# KiCad board RBCX.kicad_pcb (continued)
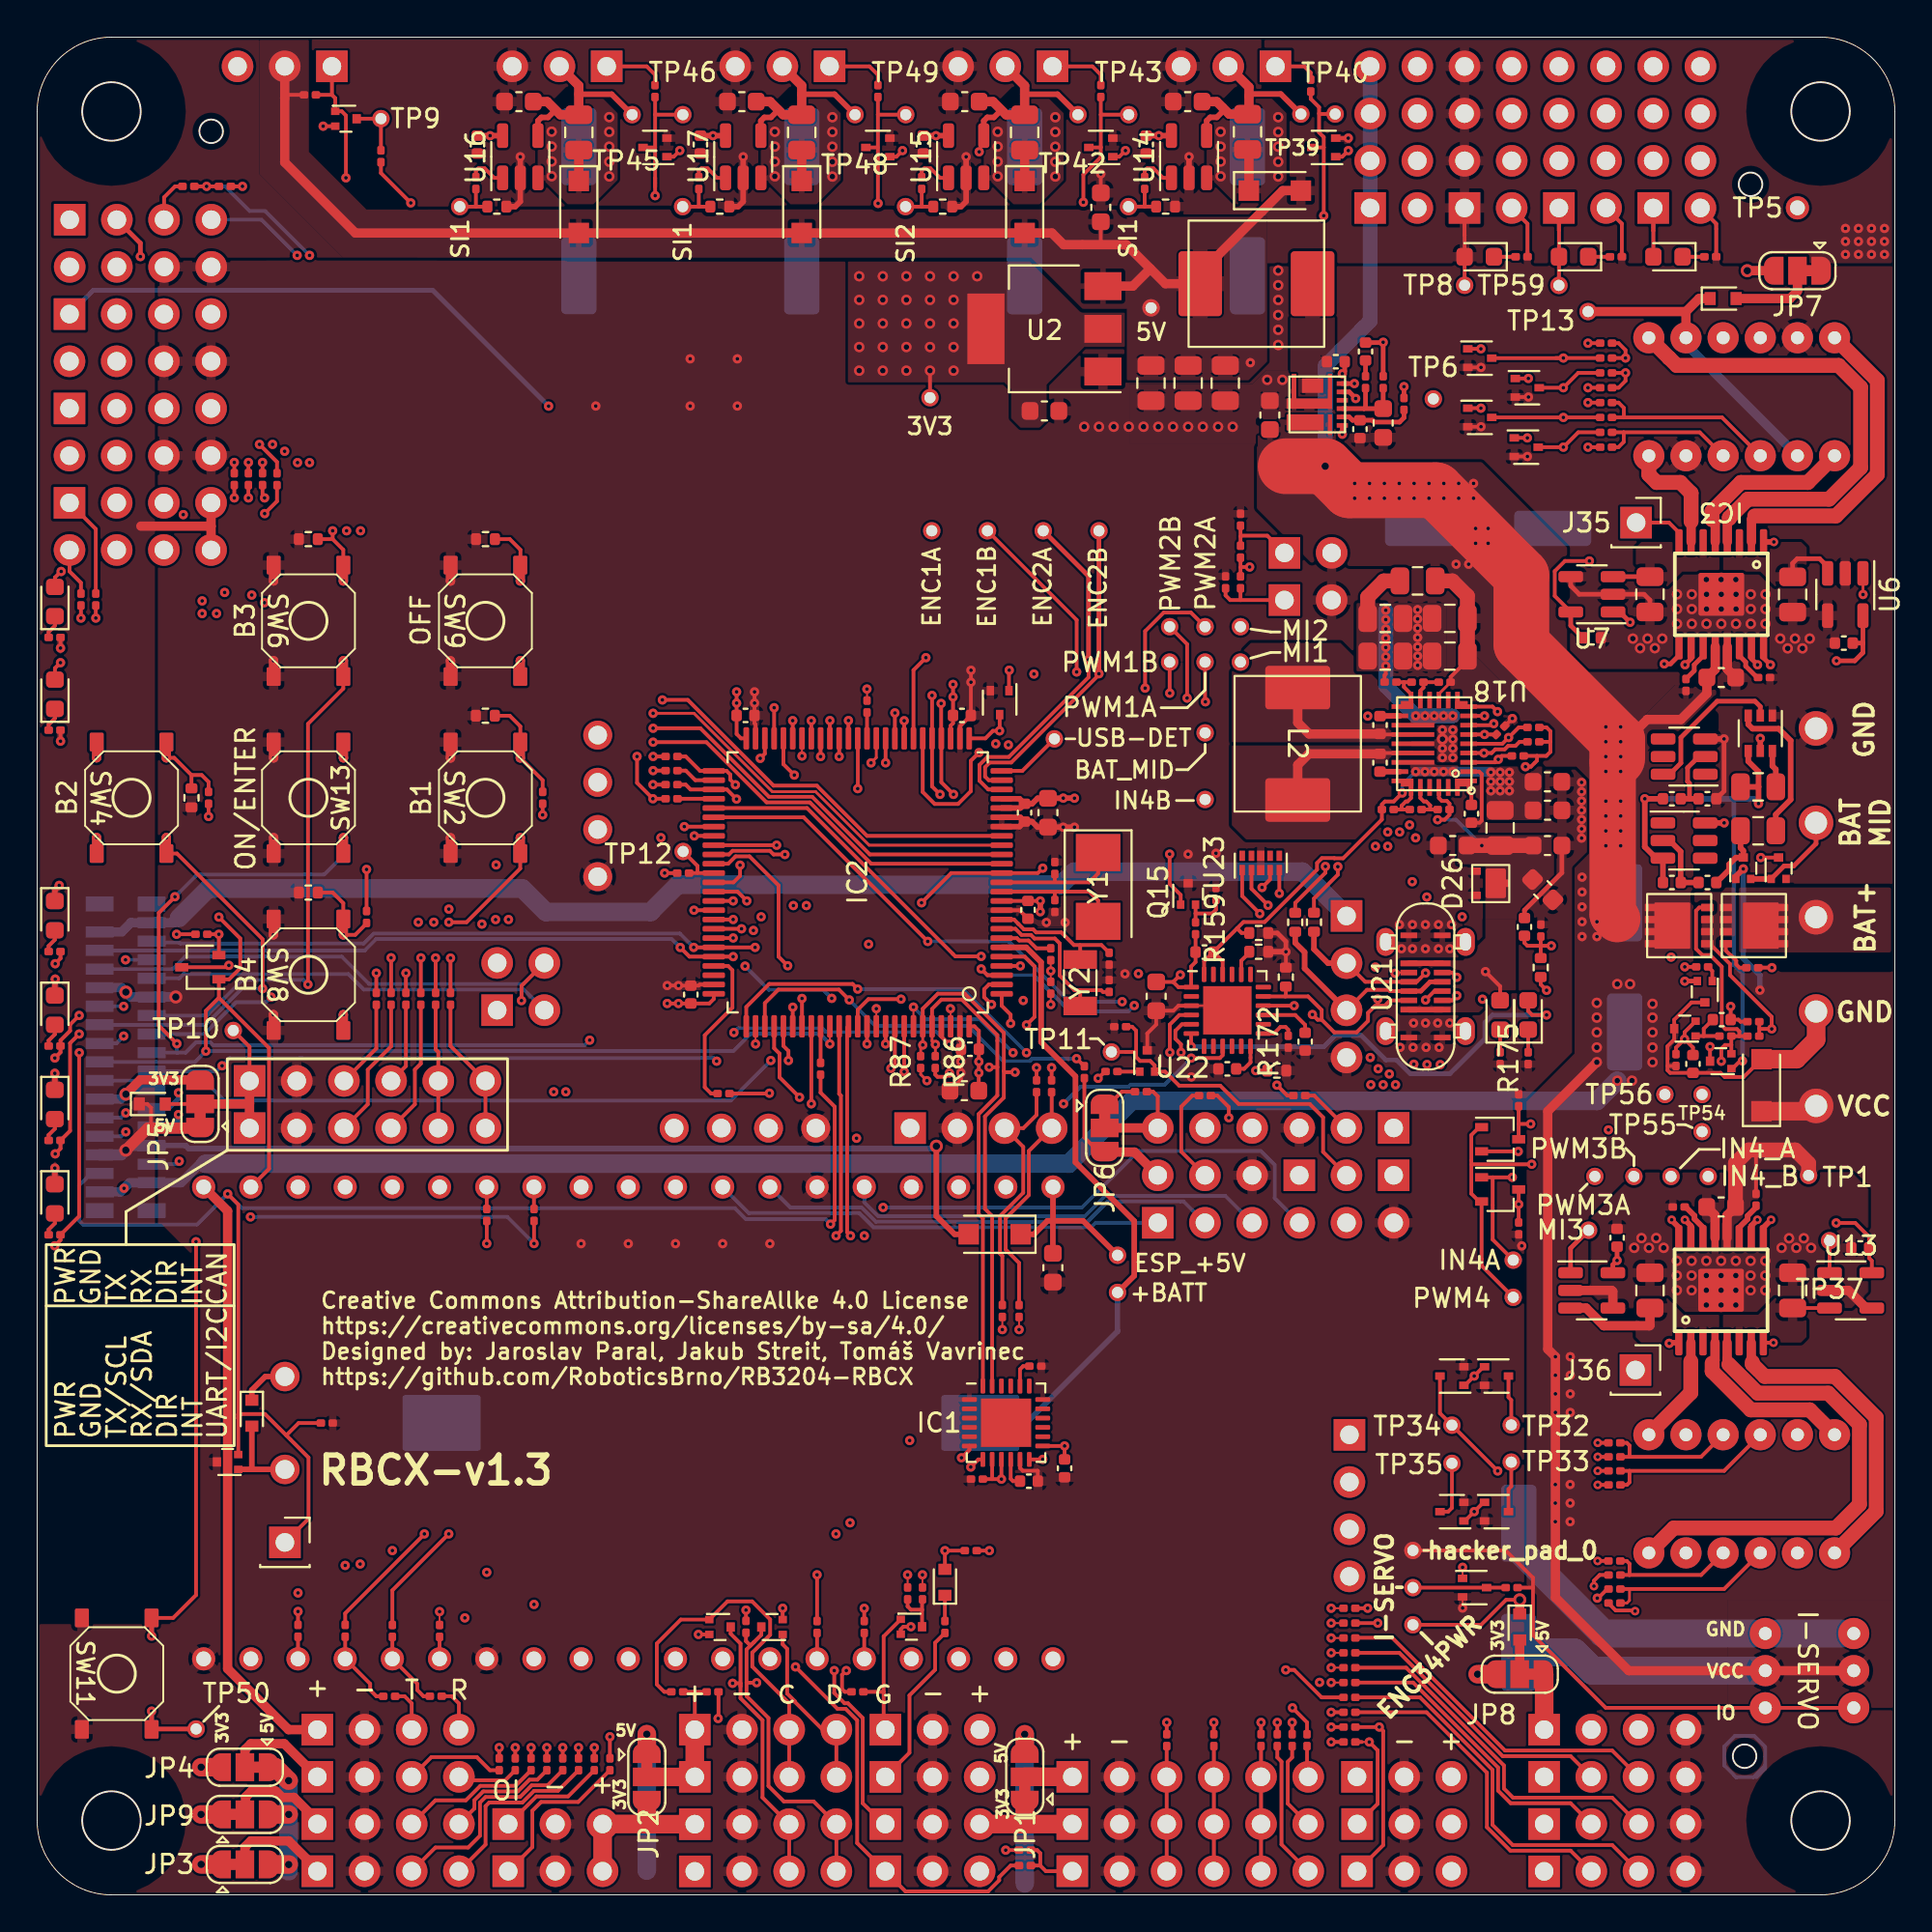
[diagram p0: board, top side]
## Placement (name value [footprint] x y rotation side) (continued)
R93  2.2k  [R_0201_0603Metric]  84.46 81.93 180 top
R94  2.2k  [R_0201_0603Metric]  84.46 79.53 180 top
R95  2.2k  [R_0201_0603Metric]  84.46 78.73 180 top
R96  5m  [C_0805_2012Metric]  94.5 70 90 top
R97  5m  [C_0805_2012Metric]  86.82 70.01 90 top
R98  10k  [C_0201_0603Metric]  79.75 42.77 270 top
R99  10k  [C_0201_0603Metric]  79.75 35.87 90 top
R100  10k  [C_0201_0603Metric]  84.9 24.33 0 top
R101  10k  [C_0201_0603Metric]  84.91 22.07 180 top
R102  10k  [C_0201_0603Metric]  84.91 15.71 0 top
R103  10k  [C_0201_0603Metric]  84.9 17.97 180 top
R104  2.2k  [R_0201_0603Metric]  84.91 23.58 180 top
R105  2.2k  [R_0201_0603Metric]  84.91 22.82 180 top
R106  2.2k  [R_0201_0603Metric]  84.91 16.46 180 top
R107  2.2k  [R_0201_0603Metric]  84.91 17.22 180 top
R108  5m  [C_0805_2012Metric]  86.82 32.54 270 top
R109  5m  [C_0805_2012Metric]  94.5 32.54 270 top
R110  1k  [R_0201_0603Metric]  59.62 92.15 270 top
R111  5m  [C_0805_2012Metric]  65.16 94.9 270 top
R112  2.2k  [R_0201_0603Metric]  68.56 97.39 270 top
R113  1k  [R_0201_0603Metric]  47.62 92.15 270 top
R114  5m  [C_0805_2012Metric]  53.16 94.87 270 top
R115  2.2k  [R_0201_0603Metric]  57.26 97.1 270 top
R116  1k  [R_0201_0603Metric]  23.62 92.15 270 top
R117  5m  [C_0805_2012Metric]  29.16 94.87 270 top
R118  2.2k  [R_0201_0603Metric]  33.26 97.1 270 top
R119  1k  [R_0201_0603Metric]  35.62 92.15 270 top
R120  5m  [C_0805_2012Metric]  41.16 94.87 270 top
R121  2.2k  [R_0201_0603Metric]  45.26 97.1 270 top
R122  330  [C_0201_0603Metric]  70.64 9.83 0 top
R123  330  [C_0201_0603Metric]  70.64 10.63 0 top
R124  330  [C_0201_0603Metric]  3.16 69.73 90 top
R125  330  [C_0201_0603Metric]  2.36 69.73 270 top
R126  330  [C_0201_0603Metric]  70.64 11.43 0 top
R127  330  [C_0201_0603Metric]  70.64 12.23 0 top
R128  330  [C_0201_0603Metric]  24.87 7.03 270 top
R129  330  [C_0201_0603Metric]  25.74 7.03 270 top
R130  330  [C_0201_0603Metric]  70.64 13.03 0 top
R131  330  [C_0201_0603Metric]  70.64 13.83 0 top
R132  330  [C_0201_0603Metric]  70.64 14.63 0 top
R133  330  [C_0201_0603Metric]  70.64 15.43 0 top
R134  330  [C_0201_0603Metric]  18.95 10.69 0 top
R135  330  [C_0201_0603Metric]  21.46 10.69 0 top
R136  330  [C_0201_0603Metric]  16.58 14.21 90 top
R137  330  [C_0201_0603Metric]  19.12 14.21 90 top
R138  1k  [R_0201_0603Metric]  90.06 88.18 180 top
R139  1k  [R_0201_0603Metric]  90.06 88.18 180 bottom
R140  330  [C_0201_0603Metric]  44.52 14.42 90 top
R141  330  [C_0201_0603Metric]  41.98 14.42 90 top
R142  2.2k  [R_0201_0603Metric]  79.37 16.54 180 top
R143  5m  [C_0805_2012Metric]  78.75 57.43 90 top
R144  1k  [R_0201_0603Metric]  72.71 58.42 0 top
R145  1.5k  [R_0402_1005Metric]  68.73 52.36 90 top
R146  1.5k  [R_0402_1005Metric]  67.72 52.35 270 top
R147  1k  [R_0201_0603Metric]  75.71 58.42 180 top
R148  1k  [R_0201_0603Metric]  72.85 65.28 180 top
R149  1k  [R_0201_0603Metric]  75.77 65.28 0 top
R150  5m  [C_0805_2012Metric]  74.31 70.73 0 top
R151  10k  [C_0201_0603Metric]  64.78 72.3 90 top
R152  10k  [C_0201_0603Metric]  64.78 70.65 270 top
R153  10k  [C_0201_0603Metric]  78.77 62.69 45 top
R154  100k  [C_0201_0603Metric]  64.78 74.02 90 top
R155  5.6k  [R_0402_1005Metric]  80.94 49.92 90 top
R156  10k  [C_0201_0603Metric]  80.95 51.91 270 top
R157  100k  [C_0201_0603Metric]  63.97 70.65 90 top
R158  10k  [C_0201_0603Metric]  80.54 62.84 0 top
R159  100k  [C_0201_0603Metric]  62.36 52.03 270 top
R160  100  [C_0402_1005Metric]  89.91 54.49 0 top
R161  100  [C_0402_1005Metric]  88 59 180 top
R162  33R  [C_0805_2012Metric]  92.64 57.28 0 top
R163  100k  [C_0201_0603Metric]  92.38 46.22 180 top
R164  10k  [C_0201_0603Metric]  92.33 49.91 180 top
R165  100k  [C_0201_0603Metric]  92.38 47 0 top
R166  10k  [C_0201_0603Metric]  90.88 46.23 0 top
R167  33R  [C_0805_2012Metric]  92.64 59.64 0 top
R168  330  [C_0201_0603Metric]  89.63 49.95 0 top
R169  10k  [C_0201_0603Metric]  54.56 48.83 270 top
R170  330  [C_0201_0603Metric]  54.56 50.63 90 top
R171  1M  [R_0201_0603Metric]  88.22 44.94 270 top
R172  10k  [C_0201_0603Metric]  67.35 45.93 90 top
R173  4k7  [R_0201_0603Metric]  78.75 45.04 90 top
R174  4k7  [R_0201_0603Metric]  78.75 45.04 90 bottom
R175  4k7  [R_0201_0603Metric]  80.26 45.04 90 top
R176  5.1k  [R_0402_1005Metric]  66.73 44.37 0 top
R177  5.1k  [R_0402_1005Metric]  67.22 49.4 90 top
R178  4k7  [R_0201_0603Metric]  80.26 45.04 90 bottom
R180  100k  [C_0201_0603Metric]  63.46 53.88 270 top
R181  1k  [R_0201_0603Metric]  84.98 88.18 180 top
R182  1k  [R_0201_0603Metric]  84.98 88.18 180 bottom
SW1  -  [SW]  24.13 59.06 90 bottom
SW2  -  [SW]  24.13 59.06 270 top
SW3  -  [SW]  5.08 59.06 90 bottom
SW4  -  [SW]  5.08 59.06 270 top
SW5  -  [SW]  14.61 68.58 90 bottom
SW6  -  [SW]  14.61 68.58 270 top
SW7  -  [SW]  14.61 49.53 90 bottom
SW8  -  [SW]  14.61 49.53 270 top
SW9  -  [SW]  24.13 68.58 270 top
SW10  -  [SW]  24.13 68.58 90 bottom
SW11  -  [SW]  4.29 11.91 270 top
SW12  -  [SW]  4.29 11.91 90 bottom
SW13  -  [SW]  14.61 59.06 90 top
SW14  -  [SW]  14.61 59.06 270 bottom
TP1  -  [TP_06MM]  95.36 38.73 0 top
TP2  -  [TP_06MM]  59.96 85.43 0 top
TP3  -  [TP_06MM]  74.06 18.54 0 top
TP4  -  [TP_06MM]  48.06 80.59 0 top
TP5  -  [TP_08MM]  94.76 90.81 0 top
TP6  -  [TP_06MM]  75.16 80.53 0 top
TP7  -  [TP_06MM]  58.16 32.43 0 top
TP8  -  [TP_06MM]  76.84 86.64 0 top
TP9  -  [TP_06MM]  18.51 95.61 0 top
TP10  -  [TP_06MM]  10.56 46.53 0 top
TP11  -  [TP_06MM]  57.83 45.37 0 top
TP12  -  [TP_06MM]  34.77 56.16 0 top
TP13  -  [TP_06MM]  83.49 85.23 0 top
TP14  -  [TP_06MM]  62.87 66.36 0 top
TP15  -  [TP_06MM]  60.96 66.36 0 top
TP16  -  [TP_06MM]  62.87 68.26 0 top
TP17  -  [TP_06MM]  60.96 68.26 0 top
TP18  -  [TP_06MM]  48.16 73.43 0 top
TP19  -  [TP_06MM]  51.16 73.43 0 top
TP20  -  [TP_06MM]  54.16 73.43 0 top
TP21  -  [TP_06MM]  57.16 73.43 0 top
TP22  -  [TP_06MM]  64.77 66.36 0 top
TP23  -  [TP_06MM]  64.77 68.26 0 top
TP24  -  [TP_06MM]  74.06 14.54 0 top
TP25  -  [TP_06MM]  83.85 38.67 0 top
TP26  -  [TP_06MM]  85.95 38.67 0 top
TP27  -  [TP_06MM]  79.46 34.17 0 top
TP28  -  [TP_06MM]  79.46 32.17 0 top
TP29  -  [TP_06MM]  62.87 58.96 0 top
TP30  -  [TP_06MM]  87.95 38.67 0 top
TP31  -  [TP_06MM]  89.95 38.67 0 top
TP32  -  [TP_06MM]  79.35 25.29 0 top
TP33  -  [TP_06MM]  79.35 23.29 0 top
TP34  -  [TP_06MM]  76.16 25.28 0 top
TP35  -  [TP_06MM]  76.16 23.23 0 top
TP36  -  [TP_06MM]  83.51 35.78 0 top
TP37  -  [TP_06MM]  96.49 35.21 0 top
TP38  -  [TP_06MM]  58.75 90.88 0 top
TP39  -  [TP_06MM]  68.03 95.86 0 top
TP40  -  [TP_06MM]  69.87 95.86 0 top
TP41  -  [TP_06MM]  46.75 90.88 0 top
TP42  -  [TP_06MM]  56.03 95.83 0 top
TP43  -  [TP_06MM]  58.76 95.83 0 top
TP44  -  [TP_06MM]  22.75 90.88 0 top
TP45  -  [TP_06MM]  32.03 95.83 0 top
TP46  -  [TP_06MM]  34.76 95.83 0 top
TP47  -  [TP_06MM]  34.75 90.88 0 top
TP48  -  [TP_06MM]  44.03 95.83 0 top
TP49  -  [TP_06MM]  46.76 95.83 0 top
TP50  -  [TP_06MM]  8.56 8.93 0 top
TP51  -  [TP_06MM]  58.16 34.43 0 top
TP52  -  [TP_06MM]  74.06 16.54 0 top
TP53  -  [TP_06MM]  62.87 62.55 0 top
TP54  -  [TP_06MM]  89.62 43.08 0 top
TP55  -  [TP_06MM]  89.62 41.08 0 top
TP56  -  [TP_06MM]  87.62 43.08 0 top
TP58  -  [TP_06MM]  54.76 62.23 0 top
TP59  -  [TP_06MM]  81.92 86.64 0 top
U1  -  [SY8368QNC]  68.91 80.23 270 top
U2  AMS1117-3.3  [SOT-223-3_TabPin2]  54.22 84.3 180 top
U3  BAT54C  [SOT-323_SC-70]  8.78 49.93 180 top
U4  -  [JST-PH6]  91.76 83.82 0 bottom
U5  -  [JST-PH6]  91.76 77.47 180 bottom
U6  INA180A4  [SOT-23-5]  97.33 70 270 top
U7  INA180A4  [SOT-23-5]  83.69 70.01 180 top
U8  -  [JST-PH6]  91.76 24.77 0 bottom
U9  -  [JST-PH6]  91.76 18.41 180 bottom
U10  BAT54C  [SOT-323_SC-70]  78.75 37.97 0 top
U11  BAT54C  [SOT-323_SC-70]  78.75 40.67 0 top
U12  INA180A4  [SOT-23-5]  83.68 32.54 0 top
U13  INA180A4  [SOT-23-5]  97.62 32.54 0 top
U14  INA180A4  [SOT-23-5]  62.01 93.56 90 top
U15  INA180A4  [SOT-23-5]  50.01 93.56 90 top
U16  INA180A4  [SOT-23-5]  26.01 93.56 90 top
U17  INA180A4  [SOT-23-5]  38.01 93.56 90 top
U18  -  [MP2651]  75.21 61.96 180 top
U19  HY2213-BB3A  [SOT-23-6]  88.66 61.27 180 top
U20  HY2213-BB3A  [SOT-23-6]  88.65 56.75 0 top
U21  USB_C  [USB_C_vertical]  74.74 48.9 90 top
U22  AP33772  [QFN-24-1EP_4x4mm_P0.5mm_EP2.6x2.6mm]  64.07 47.61 0 top
U23  TPD4E02B04DQA  [USON-10_2.5x1.0mm_P0.5mm]  65.87 55.55 90 top
X1  POWER_OUT  [W237-132]  95.13 45.01 270 bottom
X2  -  [52559-3092]  4.76 45.09 90 bottom
X3  POWER_IN  [W237-133]  95.12 57.71 270 bottom
Y1  5032/2P  [Crystal_SMD_5032-2Pin_5.0x3.2mm]  57.11 54.25 270 top
Y2  3215_2P  [Crystal_SMD_3215-2Pin_3.2x1.5mm]  56.15 49.1 90 top

## Library data of the parts
B1 = -: Basic/Extended: E; JLCPCB_CORRECTION: 0;0;90; LCSC: C96493
BAT1 = -: Basic/Extended: E; JLCPCB_CORRECTION: 0;0;180; LCSC: C70377
C1 C15-C19 C22 C23 C25 C34 C35 C39 C40 C42 C46 C50 C54 C59 C67 C75 C79 C81-C84 = -: Basic/Extended: E; LCSC: C131394
C2 C8 C9 C20 C26 C31 C36 C44 C48 C52 C56 C57 C60-C64 C77 = -: Basic/Extended: B; LCSC: C96446
C3 = -: Basic/Extended: B; LCSC: C1530
C4-C6 C68-C71 = -: Basic/Extended: B; LCSC: C45783
C7 C73 C76 = -: Basic/Extended: B; LCSC: C12530
C10-C14 C43 C47 C51 C55 C78 C80 = -: Basic/Extended: B; LCSC: C52923
C21 C32 C37 C65 C66 = -: Basic/Extended: E; LCSC: C85930
C24 C33 C38 = -: Basic/Extended: E; LCSC: C526940
C27 C29 = -: Basic/Extended: E; LCSC: C161409
C28 C30 = -: Basic/Extended: E; LCSC: C555393
C41 C45 C49 C53 C58 C74 C85 = -: Basic/Extended: E; LCSC: C2923769
C72 = -: Basic/Extended: B; LCSC: C23733
D1-D4 D9 = -: Basic/Extended: E; LCSC: C68948
D5-D8 D10-D13 D15 D17 D19 D21 D23 D24 = -: Basic/Extended: E; JLCPCB_CORRECTION: 0;0;180; LCSC: C134414
D14 D16 D18 D20 D22 D25 = -: Basic/Extended: E; LCSC: C108810
D26 = -: LCSC: C312228
D27-D32 D37 D38 D41-D48 = -: Basic/Extended: B; LCSC: C2286
D33 D34 = -: Basic/Extended: B; LCSC: C72043
D35 D36 = -: Basic/Extended: B; LCSC: C72038
D39 D40 = -: Basic/Extended: B; LCSC: C72041
IC1 = -: Basic/Extended: E; LCSC: C24112
IC2 = -: Basic/Extended: E; LCSC: C8313
IC3 IC4 = -: Basic/Extended: E; LCSC: C50506
IM1 IM2 J29 J35 J36 TP1-TP56 TP58 TP59 X1-X3 = -: JLCPCB_IGNORE: 1
IM3 = -: JLCPCB_IGNORE: 1; Field5: USB; Field6: ESP
J1 = -: Basic/Extended: E; JLCPCB_CORRECTION: 1.27;-1.27;-90; LCSC: C492419
J2-J4 J30 J31 J33 J42 J48 = -: Basic/Extended: E; JLCPCB_CORRECTION: 1.27;-3.81;90; LCSC: C124386
J5 J12 J18 J24-J26 J28 = -: Basic/Extended: E; JLCPCB_CORRECTION: 0;-6.35;90; LCSC: C2894929
J6 J7 J9 J13 J17 J22 J27 J34 J41 J43-J47 J49 J50 = -: Basic/Extended: E; JLCPCB_CORRECTION: 0;-3.81;90; LCSC: C124378
J8 J10 J11 J14-J16 J19-J21 J23 J37-J40 = -: Basic/Extended: E; JLCPCB_CORRECTION: 0;-2.54;90; LCSC: C49257
J32 = -: Basic/Extended: E; JLCPCB_CORRECTION: 0;-1.27;90; LCSC: C234182
JP10 JP11 = -: Basic/Extended: E; LCSC: C392534; Field6: 1
L1 L2 = -: Basic/Extended: E; LCSC: C167217
Q1-Q8 Q15 = -: Basic/Extended: E; JLCPCB_CORRECTION: 0;0;180; LCSC: C504051
Q9-Q11 = -: Basic/Extended: E; JLCPCB_CORRECTION: 0;0;180; LCSC: C2912537
Q12 Q14 = -: Basic/Extended: E; LCSC: C2890409
Q13 = -: Basic/Extended: E; JLCPCB_CORRECTION: 0;0;-90; LCSC: C2919800
R1-R7 R20-R27 R33-R36 R38-R40 R43 R45-R63 R65-R73 R76 R78 R79 R82 R83 R86 R87 R122-R137 R140 R141 R168 R170 = -: Basic/Extended: E; LCSC: C473445
R8 R41 R88-R91 R98-R103 R151-R153 R156 R158 R164 R166 R169 R172 = -: Basic/Extended: E; LCSC: C106225
R9 R37 R42 R77 R154 R157 R159 R163 R165 R180 = -: Basic/Extended: E; LCSC: C270364
R10 R16 R17 R110 R113 R116 R119 R138 R139 R144 R147-R149 R181 R182 = -: Basic/Extended: E; LCSC: C138165
R11 = -: Basic/Extended: B; LCSC: C22818
R12 R13 R18 R19 R28-R32 R44 R80 R81 R84 R85 R173-R175 R178 = -: Basic/Extended: E; LCSC: C270346
R14 R15 R74 R92-R95 R104-R107 R112 R115 R118 R121 R142 = -: Basic/Extended: E; LCSC: C142018
R64 R75 R171 = -: Basic/Extended: E; LCSC: C473482
R96 R97 R108 R109 R111 R114 R117 R120 R143 R150 = -: Basic/Extended: E; LCSC: C728267
R145 R146 = -: Basic/Extended: B; LCSC: C25867
R155 = -: Basic/Extended: B; LCSC: C25908
R160 R161 = -: Basic/Extended: B; LCSC: C25076
R162 R167 = -: Basic/Extended: E; LCSC: C560522
R176 R177 = -: Basic/Extended: B; LCSC: C25905
SW1-SW14 = -: Basic/Extended: B; LCSC: C318884
U1 = -: Basic/Extended: E; LCSC: C125897
U2 = -: Basic/Extended: E; LCSC: C5120765
U3 U10 U11 = -: Basic/Extended: E; JLCPCB_CORRECTION: 0;0;180; LCSC: C57891
U4 U8 = -: Basic/Extended: E; JLCPCB_CORRECTION: 0;0;180; LCSC: C131342
U5 U9 = -: Basic/Extended: E; JLCPCB_CORRECTION: 0;0;180; LCSC: C131342; Field7: 1
U6 U7 U12-U17 = -: LCSC: C188337
U18 = -: JLCPCB: 1589-MP2651GVT-0000-ZCT-ND
U19 U20 = -: Basic/Extended: E; JLCPCB_CORRECTION: 0;0;180; LCSC: C113632
U21 = -: Basic/Extended: E; LCSC: C2686963
U22 = -: LCSC: C5244513
Y1 = -: Basic/Extended: B; LCSC: C115962
Y2 = -: Basic/Extended: B; LCSC: C32346

## Footprints (pads in the part's own frame, mm; a bottom-side part is the same pattern mirrored in y, then rotated)
52559-3092
  rect 0.6x1.5 smd: 1(-7.25,-1.4) 2(-6.75,1.4) 3(-6.25,-1.4) 4(-5.75,1.4) 5(-5.25,-1.4) 6(-4.75,1.4) 7(-4.25,-1.4) 8(-3.75,1.4) 9(-3.25,-1.4) 10(-2.75,1.4) 11(-2.25,-1.4) 12(-1.75,1.4) 13(-1.25,-1.4) 14(-0.75,1.4) 15(-0.25,-1.4) 16(0.25,1.4) 17(0.75,-1.4) 18(1.25,1.4) 19(1.75,-1.4) 20(2.25,1.4) 21(2.75,-1.4) 22(3.25,1.4) 23(3.75,-1.4) 24(4.25,1.4) 25(4.75,-1.4) 26(5.25,1.4) 27(5.75,-1.4) 28(6.25,1.4) 29(6.75,-1.4) 30(7.25,1.4)
  rect 0.8x1.5 smd: M1(-8.25,-1.4) M2(8.25,-1.4) M3(8.25,1.4) M4(-8.25,1.4)
C_0201_0603Metric
  rrect 0.318x0.36 smd: (-0.345,0) (0.345,0)
  rrect 0.46x0.4 smd: 1(-0.32,0) 2(0.32,0)
C_0402_1005Metric
  rrect 0.56x0.62 smd: 1(-0.48,0) 2(0.48,0)
C_0603_1608Metric
  rrect 0.9x0.95 smd: 1(-0.775,0) 2(0.775,0)
C_0805_2012Metric
  rrect 1x1.45 smd: 1(-0.95,0) 2(0.95,0)
CP_Elec_8x11.9
  rrect 4.15x1.9 smd: 1(-3.475,0) 2(3.475,0)
CR2032
  rrect 4.2x3 smd: 1(14.5,0) 2(-14.5,0)
Crystal_SMD_3215-2Pin_3.2x1.5mm
  rect 1x1.8 smd: 1(1.25,0) 2(-1.25,0)
Crystal_SMD_5032-2Pin_5.0x3.2mm
  rect 2x2.4 smd: 1(-1.85,0) 2(1.85,0)
D_SOD-123F
  rect 1.1x1.1 smd: 1(-1.4,0) 2(1.4,0)
D_SOD-523
  rect 0.6x0.7 smd: 1(-0.7,0) 2(0.7,0)
DFN3-2x2
  rrect 0.4x0.5 smd: 1(-0.65,0.796) 2(0.65,0.796)
  rrect 1.6x1.1 smd: 3(0,-0.254)
  rrect 0.4x0.4 smd: 3(0,-0.804)
DISPLAY-OLED-128X32
  round 1.56 hole 1: 1(0,-3.81) 2(0,-1.27) 3(0,1.27) 4(0,3.81)
DISPLAY-OLED-128X64-I2C-W_HOLES
  round 1.56 hole 1: 1(-3.81,-1.27) 2(-1.27,-1.27) 3(1.27,-1.27) 4(3.81,-1.27)
ESP32-DEVKITC
  round 1.248 hole 0.8: 1(-12.7,0) 2(-12.7,-2.54) 3(-12.7,-5.08) 4(-12.7,-7.62) 5(-12.7,-10.16) 6(-12.7,-12.7) 7(-12.7,-15.24) 8(-12.7,-17.78) 9(-12.7,-20.32) 10(-12.7,-22.86) 11(-12.7,-25.4) 12(-12.7,-27.94) 13(-12.7,-30.48) 14(-12.7,-33.02) 15(-12.7,-35.56) 16(-12.7,-38.1) 17(-12.7,-40.64) 18(-12.7,-43.18) 19(-12.7,-45.72) 20(12.7,-45.72) 21(12.7,-43.18) 22(12.7,-40.64) 23(12.7,-38.1) 24(12.7,-35.56) 25(12.7,-33.02) 26(12.7,-30.48) 27(12.7,-27.94) 28(12.7,-25.4) 29(12.7,-22.86) 30(12.7,-20.32) 31(12.7,-17.78) 32(12.7,-15.24) 33(12.7,-12.7) 34(12.7,-10.16) 35(12.7,-7.62) 36(12.7,-5.08) 37(12.7,-2.54) 38(12.7,0)
FXL0630
  rrect 2.35x3.5 smd: 1(3.025,0) 2(-3.025,0)
HTSSOP-16
  rrect 0.39x1.37 smd: 1(-2.275,-2.82) 2(-1.625,-2.82) 3(-0.975,-2.82) 4(-0.325,-2.82) 5(0.325,-2.82) 6(0.975,-2.82) 7(1.625,-2.82) 8(2.275,-2.82) 9(2.275,2.82) 10(1.625,2.82) 11(0.975,2.82) 12(0.325,2.82) 13(-0.325,2.82) 14(-0.975,2.82) 15(-1.625,2.82) 16(-2.275,2.82)
  rrect 2.46x2.31 smd: GND(0,0)
JMSL0302AU
  rrect 0.4x0.675 smd: 1(-0.975,-1.512) 1(-0.325,-1.512) 1(0.325,-1.512) 1(0.975,-1.512) 2(-0.975,1.512) 3(-0.325,1.512) 3(0.325,1.512) 3(0.975,1.512)
  rrect 2.49x1.93 smd: 1(0,-0.37)
JST-PH3
  round 1.676 hole 0.7: 1(2,0) 2(0,0) 3(-2,0)
JST-PH6
  round 1.676 hole 0.7: 1(5,0) 2(3,0) 3(1,0) 4(-1,0) 5(-3,0) 6(-5,0)
LED_0603_1608Metric
  rrect 0.875x0.95 smd: 1(-0.787,0) 2(0.787,0)
LQFN100_14x14mm
  rrect 0.3x1.2 smd: 1(-6,-7.75) 2(-5.5,-7.75) 3(-5,-7.75) 4(-4.5,-7.75) 5(-4,-7.75) 6(-3.5,-7.75) 7(-3,-7.75) 8(-2.5,-7.75) 9(-2,-7.75) 10(-1.5,-7.75) 11(-1,-7.75) 12(-0.5,-7.75) 13(0,-7.75) 14(0.5,-7.75) 15(1,-7.75) 16(1.5,-7.75) 17(2,-7.75) 18(2.5,-7.75) 19(3,-7.75) 20(3.5,-7.75) 21(4,-7.75) 22(4.5,-7.75) 23(5,-7.75) 24(5.5,-7.75) 25(6,-7.75) 51(6,7.75) 52(5.5,7.75) 53(5,7.75) 54(4.5,7.75) 55(4,7.75) 56(3.5,7.75) 57(3,7.75) 58(2.5,7.75) 59(2,7.75) 60(1.5,7.75) 61(1,7.75) 62(0.5,7.75) 63(0,7.75) 64(-0.5,7.75) 65(-1,7.75) 66(-1.5,7.75) 67(-2,7.75) 68(-2.5,7.75) 69(-3,7.75) 70(-3.5,7.75) 71(-4,7.75) 72(-4.5,7.75) 73(-5,7.75) 74(-5.5,7.75) 75(-6,7.75)
  rrect 1.2x0.3 smd: 26(7.75,-6) 27(7.75,-5.5) 28(7.75,-5) 29(7.75,-4.5) 30(7.75,-4) 31(7.75,-3.5) 32(7.75,-3) 33(7.75,-2.5) 34(7.75,-2) 35(7.75,-1.5) 36(7.75,-1) 37(7.75,-0.5) 38(7.75,0) 39(7.75,0.5) 40(7.75,1) 41(7.75,1.5) 42(7.75,2) 43(7.75,2.5) 44(7.75,3) 45(7.75,3.5) 46(7.75,4) 47(7.75,4.5) 48(7.75,5) 49(7.75,5.5) 50(7.75,6) 76(-7.75,6) 77(-7.75,5.5) 78(-7.75,5) 79(-7.75,4.5) 80(-7.75,4) 81(-7.75,3.5) 82(-7.75,3) 83(-7.75,2.5) 84(-7.75,2) 85(-7.75,1.5) 86(-7.75,1) 87(-7.75,0.5) 88(-7.75,0) 89(-7.75,-0.5) 90(-7.75,-1) 91(-7.75,-1.5) 92(-7.75,-2) 93(-7.75,-2.5) 94(-7.75,-3) 95(-7.75,-3.5) 96(-7.75,-4) 97(-7.75,-4.5) 98(-7.75,-5) 99(-7.75,-5.5) 100(-7.75,-6)
MP2651
  rrect 0.9x0.25 smd: 1(-1.85,2) 2(-1.85,1.5) 3(-1.85,1) 4(-1.85,0.5) 5(-1.85,0) 6(-1.85,-0.5) 7(-1.85,-1) 8(-1.85,-1.5) 9(-1.85,-2) 16(1.85,-2) 17(1.85,-1.5) 23(1.85,1.5) 24(1.85,2)
  rrect 0.675x0.425 smd: 1(-1.462,2.087) 9(-1.462,-2.087) 16(1.462,-2.087) 24(1.462,2.087)
  rrect 0.25x0.9 smd: 10(-1.25,-2.35) 11(-0.75,-2.35) 12(-0.25,-2.35) 13(0.25,-2.35) 14(0.75,-2.35) 15(1.25,-2.35) 25(1.25,2.35) 26(0.75,2.35) 27(0.25,2.35) 28(-0.25,2.35) 29(-0.75,2.35) 30(-1.25,2.35)
  rrect 2.3x0.25 smd: 18(1.15,-1) 19(1.15,-0.5) 20(1.15,0) 21(1.15,0.5) 22(1.15,1)
PIEZO
  round 1.585 hole 1.016: +(0,2.5) -(0,-2.5)
PinHeader_1x02_P2.54mm_Vertical
  rect 1.7x1.7 hole 1: 1(0,0)
  oval 1.7x1.7 hole 1: 2(0,-2.54)
PinHeader_1x03_P2.54mm_Vertical
  rect 1.7x1.7 hole 1: 1(0,0)
  oval 1.7x1.7 hole 1: 2(0,-2.54) 3(0,-5.08)
PinHeader_1x04_P2.54mm_Vertical
  rect 1.7x1.7 hole 1: 1(0,0)
  oval 1.7x1.7 hole 1: 2(0,-2.54) 3(0,-5.08) 4(0,-7.62)
PinHeader_1x06_P2.54mm_Vertical
  rect 1.7x1.7 hole 1: 1(0,0)
  oval 1.7x1.7 hole 1: 2(0,-2.54) 3(0,-5.08) 4(0,-7.62) 5(0,-10.16) 6(0,-12.7)
PinHeader_2x02_P2.54mm_Vertical
  rect 1.7x1.7 hole 1: 1(0,0)
  oval 1.7x1.7 hole 1: 2(2.54,0) 3(0,-2.54) 4(2.54,-2.54)
PinHeader_2x04_P2.54mm_Vertical
  rect 1.7x1.7 hole 1: 1(0,0)
  oval 1.7x1.7 hole 1: 2(2.54,0) 3(0,-2.54) 4(2.54,-2.54) 5(0,-5.08) 6(2.54,-5.08) 7(0,-7.62) 8(2.54,-7.62)
PinSocket_1x01_P2.54mm_Vertical
  rect 1.7x1.7 hole 1: 1(0,0)
QFN-24-1EP_4x4mm_P0.5mm_EP2.6x2.6mm
  rrect 1.05x1.05 smd: (-0.65,0.65) (-0.65,-0.65) (0.65,0.65) (0.65,-0.65)
  rrect 0.825x0.25 smd: 1(-1.938,1.25) 2(-1.938,0.75) 3(-1.938,0.25) 4(-1.938,-0.25) 5(-1.938,-0.75) 6(-1.938,-1.25) 13(1.938,-1.25) 14(1.938,-0.75) 15(1.938,-0.25) 16(1.938,0.25) 17(1.938,0.75) 18(1.938,1.25)
  rrect 0.25x0.825 smd: 7(-1.25,-1.938) 8(-0.75,-1.938) 9(-0.25,-1.938) 10(0.25,-1.938) 11(0.75,-1.938) 12(1.25,-1.938) 19(1.25,1.938) 20(0.75,1.938) 21(0.25,1.938) 22(-0.25,1.938) 23(-0.75,1.938) 24(-1.25,1.938)
  rect 2.6x2.6 smd: 25(0,0)
QFN-24-1EP_4x4mm_P0.5mm_EP2.7x2.6mm
  rrect 1.09x1.05 smd: (-0.675,0.65) (-0.675,-0.65) (0.675,0.65) (0.675,-0.65)
  rrect 0.8x0.25 smd: 1(-1.975,1.25) 2(-1.975,0.75) 3(-1.975,0.25) 4(-1.975,-0.25) 5(-1.975,-0.75) 6(-1.975,-1.25) 13(1.975,-1.25) 14(1.975,-0.75) 15(1.975,-0.25) 16(1.975,0.25) 17(1.975,0.75) 18(1.975,1.25)
  rrect 0.25x0.8 smd: 7(-1.25,-1.975) 8(-0.75,-1.975) 9(-0.25,-1.975) 10(0.25,-1.975) 11(0.75,-1.975) 12(1.25,-1.975) 19(1.25,1.975) 20(0.75,1.975) 21(0.25,1.975) 22(-0.25,1.975) 23(-0.75,1.975) 24(-1.25,1.975)
  rect 2.7x2.6 smd: 25(0,0)
R_0201_0603Metric
  rrect 0.318x0.36 smd: (-0.345,0) (0.345,0)
  rrect 0.46x0.4 smd: 1(-0.32,0) 2(0.32,0)
R_0402_1005Metric
  rrect 0.54x0.64 smd: 1(-0.51,0) 2(0.51,0)
SolderJumper-3_P1.3mm_Bridged12_RoundedPad1.0x1.5mm
  custom 1.05x1.5 smd: 1(-1.3,0) 3(1.3,0)
  rect 1x1.5 smd: 2(0,0)
SOT-23-5
  rrect 1.325x0.6 smd: 1(-1.137,0.95) 2(-1.137,0) 3(-1.137,-0.95) 4(1.137,-0.95) 5(1.137,0.95)
SOT-23-6
  rrect 1.325x0.6 smd: 1(-1.137,0.95) 2(-1.137,0) 3(-1.137,-0.95) 4(1.137,-0.95) 5(1.137,0) 6(1.137,0.95)
SOT-223-3_TabPin2
  rect 2x1.5 smd: 1(-3.15,2.3) 2(-3.15,0) 3(-3.15,-2.3)
  rect 2x3.8 smd: 2(3.15,0)
SOT-323_SC-70
  rect 0.7x0.45 smd: 1(-1,0.65) 2(-1,-0.65) 3(1,0)
SOT-363_SC-70-6
  rect 0.65x0.4 smd: 1(-0.95,0.65) 2(-0.95,0) 3(-0.95,-0.65) 4(0.95,-0.65) 5(0.95,0) 6(0.95,0.65)
SOT-523
  rect 0.51x0.4 smd: 1(-0.645,0.5) 2(-0.645,-0.5) 3(0.645,0)
SOT-723
  rect 0.45x0.4 smd: 1(-0.575,0.4) 2(-0.575,-0.4)
  rect 0.45x0.5 smd: 3(0.575,0)
SW
  rrect 1x0.75 smd: 1(-3,1.875) 1(3,1.875) 2(-3,-1.875) 2(3,-1.875)
SY8368QNC
  rrect 0.25x0.6 smd: 1(-1.125,1.35) 2(-0.675,1.35) 3(-0.225,1.35) 4(0.225,1.35) 5(0.675,1.35) 6(1.125,1.35)
  rrect 1.12x0.225 smd: 7(1.09,0.688)
  rrect 0.87x2 smd: 8(0.965,-0.65)
  rrect 1.88x0.225 smd: 9(-0.71,0.688)
  rrect 1.88x0.25 smd: 9(-0.71,-1.25)
  rrect 0.555x2.45 smd: 9(-0.048,-0.425)
  rrect 0.775x1.15 smd: 10(-1.012,-0.25)
TP_06MM
  round 0.936 hole 0.6: P$1(0,0)
TP_08MM
  round 1.248 hole 0.8: P$1(0,0)
USB_C_vertical
  oval 1.5x1 hole 0.95x0.6: 0(-2.4,2.15) 0(-2.4,-2.15) 0(2.4,2.15) 0(2.4,-2.15)
  rrect 0.3x0.9 smd: A1(-2.75,0.9) A4(-1.25,0.9) A5(-0.75,0.9) A6(-0.25,0.9) A7(0.25,0.9) A8(0.75,0.9) A9(1.25,0.9) A12(2.75,0.9) B1(2.75,-0.9) B4(1.25,-0.9) B5(0.75,-0.9) B6(0.25,-0.9) B7(-0.25,-0.9) B8(-0.75,-0.9) B9(-1.25,-0.9) B12(-2.75,-0.9)
USON-10_2.5x1.0mm_P0.5mm
  rect 0.55x0.3 smd: 1(-0.385,1) 2(-0.385,0.5) 4(-0.385,-0.5) 5(-0.385,-1) 6(0.385,-1) 7(0.385,-0.5) 9(0.385,0.5) 10(0.385,1)
  rect 0.55x0.4 smd: 3(-0.385,0) 8(0.385,0)
W237-132
  round 1.862 hole 1.194: 1(-2.54,-0.635) 2(2.54,-0.635)
W237-133
  round 1.862 hole 1.194: 1(-5.08,-0.635) 2(0,-0.635) 3(5.08,-0.635)

## Nets
+3.3V: C9.1 C15.2 C16.2 C17.2 C18.2 C19.2 C20.1 C21.1 C22.2 C25.2 C26.1 C34.1 C35.2 C39.1 C40.2 C42.2 C46.2 C50.2 C54.2 D5.1 D6.1 D7.1 D8.1 D10.1 D11.1 D12.1 D13.1 D15.1 D17.1 D19.1 D21.1 D23.1 D24.1 D31.2 D32.2 D47.2 D48.2 IC1.8 IC1.9 IC1.13 IC2.11 IC2.21 IC2.22 IC2.28 IC2.50 IC2.75 IC2.100 IC3.1 IC4.1 IM1.2 IM2.2 J2.1 J2.3 J2.5 J2.7 J8.3 J10.3 J12.1 J15.3 J16.3 J17.1 J18.1 J19.3 J20.3 J22.1 J23.3 J24.1 J25.5 J27.1 J32.1 J34.1 J42.5 J42.6 JP1.1 JP2.3 JP3.1 JP4.1 JP5.3 JP7.3 JP8.3 JP9.3 Q1.2 Q2.2 Q3.2 R18.2 R28.2 R30.2 R31.2 R37.2 R42.2 R44.2 R75.1 R80.2 R81.2 R84.2 R85.2 R88.1 R89.2 R90.1 R91.2 R100.1 R101.2 R102.1 R103.2 R158.2 R169.2 TP4.P$1 TP59.P$1 U2.2 U3.3 U6.5 U7.5 U12.5 U13.5 U14.5 U15.5 U16.5 U17.5 X2.11 X2.12
+5V: B1.+ C3.1 C4.1 C5.1 C6.1 C8.1 D2.1 D3.1 D14.2 D16.2 D18.2 D20.2 D22.2 D29.2 D30.2 J3.1 J3.3 J3.5 J3.7 J21.2 J41.1 J42.7 J42.8 J43.1 J45.1 J46.1 JP1.3 JP2.1 JP3.3 JP4.3 JP5.1 JP7.1 JP8.1 JP9.1 L1.2 R9.2 R41.2 TP2.P$1 TP8.P$1 U2.3 X2.5 X2.6
/Power/Battery Manager/VBUS_CS: C60.1 C61.1 C78.1 C79.2 R143.2 R144.1 U18.22 U22.22 U22.24
GND: BAT1.2 C2.2 C4.2 C5.2 C6.2 C7.2 C8.2 C9.2 C10.2 C11.2 C12.2 C13.2 C14.2 C15.1 C16.1 C17.1 C18.1 C19.1 C20.2 C21.2 C22.1 C23.1 C24.1 C25.1 C26.2 C27.2 C28.2 C29.2 C30.2 C31.1 C33.1 C34.2 C35.1 C36.1 C38.1 C39.2 C40.1 C41.2 C42.1 C43.2 C44.2 C45.2 C46.1 C47.2 C48.2 C49.2 C50.1 C51.2 C52.2 C53.2 C54.1 C55.2 C56.2 C57.2 C58.2 C60.2 C61.2 C62.2 C63.2 C64.2 C68.2 C69.2 C70.2 C71.2 C72.2 C73.2 C74.2 C76.2 C77.2 C78.2 C80.2 C81.1 C82.1 C84.1 C85.2 D5.2 D6.2 D7.2 D8.2 D10.2 D11.2 D12.2 D13.2 D15.2 D17.2 D19.2 D21.2 D23.2 D24.2 D25.2 D26.1 D26.2 D33.1 D34.1 D35.1 D36.1 D37.1 D38.1 D39.1 D40.1 IC1.1 IC1.11 IC1.18 IC2.10 IC2.19 IC2.20 IC2.27 IC2.49 IC2.74 IC2.99 IC3.13 IC3.GND IC4.13 IC4.GND IM1.1 IM2.1 IM3.14 IM3.32 IM3.38 J2.2 J2.4 J2.6 J2.8 J3.2 J3.4 J3.6 J3.8 J4.2 J4.4 J4.6 J4.8 J5.2 J6.2 J7.2 J8.2 J9.2 J10.2 J11.2 J12.2 J13.2 J14.2 J15.2 J16.2 J17.2 J18.2 J19.2 J20.2 J21.3 J22.2 J23.2 J24.3 J25.6 J26.2 J27.2 J28.2 J30.2 J30.4 J30.6 J30.8 J31.2 J31.4 J31.6 J31.8 J33.2 J33.4 J33.6 J33.8 J34.2 J37.3 J38.3 J39.3 J40.3 J41.4 J42.3 J42.4 J43.4 J44.2 J45.4 J46.4 J47.2 J48.2 J48.4 J48.6 J48.8 J49.4 J51.2 J52.2 JP10.3 JP11.3 Q5.3 Q6.3 Q7.3 Q8.3 Q10.2 Q13.1 Q15.3 R11.2 R12.1 R13.1 R14.2 R15.2 R16.1 R17.1 R64.2 R77.1 R96.1 R97.1 R98.1 R99.1 R108.1 R109.1 R138.1 R139.1 R153.2 R154.2 R156.1 R157.2 R164.1 R171.2 R172.1 R173.1 R174.1 R175.1 R176.2 R177.2 R178.1 R180.1 R181.1 R182.1 SW1.2 SW2.2 SW3.2 SW4.2 SW5.2 SW6.2 SW7.2 SW8.2 SW9.2 SW10.2 SW11.2 SW12.2 SW13.1 SW14.1 TP5.P$1 U1.9 U2.1 U4.2 U5.2 U6.2 U6.4 U7.2 U7.4 U8.2 U9.2 U12.2 U12.4 U13.2 U13.4 U14.2 U15.2 U16.2 U17.2 U18.2 U18.20 U19.3 U21.A1 U21.A12 U21.B1 U21.B12 U22.3 U22.25 U23.3 U23.8 X1.1 X2.22 X2.23 X3.1
VCC: C2.1 C31.2 C32.2 C36.2 C37.2 C58.1 C70.1 C71.1 C74.1 C85.1 D25.1 D27.2 D28.2 IC3.12 IC4.12 J4.1 J4.3 J4.5 J4.7 JP10.2 JP11.2 Q9.1 Q14.1 R149.2 R150.2 TP1.P$1 U1.7 U1.8 U18.12 X1.2 X2.1 X2.2
+BATT: BAT1.1 IC2.6 TP7.P$1
/Auxiliary connectors/CONTROL-DIR: J26.5 J28.5 R50.2
/Auxiliary connectors/CONTROL-INT: J26.6 J28.6 R51.2
/Auxiliary connectors/CONTROL-RX/SDA: J26.4 R49.2
/Auxiliary connectors/CONTROL-TX/SCL: J26.3 R47.2
/Auxiliary connectors/DEBUG-RX: J27.3 R52.2
/Auxiliary connectors/DEBUG-TX: J27.4 JP6.3 R53.2
/Auxiliary connectors/DEBUG_RX: IC2.79 R52.1
/Auxiliary connectors/DEBUG_TX: IC2.78 R53.1
/Auxiliary connectors/ENC3B-SWO: JP6.1 R48.2
/Auxiliary connectors/EXPANDER_COM_PWR: D2.2 J26.1 J28.1 JP5.2 TP10.P$1
/Auxiliary connectors/STM-CAN-RX: J28.4 R55.2
/Auxiliary connectors/STM-CAN-TX: J28.3 R54.2
/Auxiliary connectors/STM_CAN_RX: IC2.81 R55.1
/Auxiliary connectors/STM_CAN_TX: IC2.82 R54.1
/Auxiliary connectors/SWCLK: IC2.76 R45.1
/Auxiliary connectors/SWCLK_: J24.2 R45.2
/Auxiliary connectors/SWDIO: IC2.72 R46.1
/Auxiliary connectors/SWDIO_: J24.4 R46.2
/BUTTON_ON_ORIGINAL: C75.1 J33.3 Q7.2 R165.1 SW13.2 SW14.2 X2.16
/Connectors/ESP-I2C-PWR: J6.1 J9.1 J11.3 J14.3 JP2.2 R19.2 R29.2 R32.2
/Connectors/ESP-I2C-SCL: J1.3 J17.3 J22.3 Q1.3 R2.2 R18.1
/Connectors/ESP-I2C-SCL-VSEL: J6.3 J9.3 Q1.1 R19.1
/Connectors/ESP-I2C-SDA: J1.1 J17.4 J22.4 Q2.3 R4.2 R28.1
/Connectors/ESP-I2C-SDA-VSEL: J6.4 J9.4 Q2.1 R29.1
/Connectors/ESP-SPI-MISO: J5.4 J12.4 J18.4 R21.2
/Connectors/ESP-SPI-MOSI: J5.3 J12.3 J18.3 R20.2
/Connectors/ESP-SPI-SCK: J5.5 J12.5 J18.5 R22.2
/Connectors/ESP-SPI-~{CS1}: J5.6 R23.2
/Connectors/ESP-SPI-~{CS2}: J12.6 R33.2
/Connectors/ESP-SPI-~{CS3}: J18.6 R40.2
/Connectors/ESP-USART-RX: J7.3 R24.2
/Connectors/ESP-USART-TX: J7.4 R25.2
/Connectors/ESP_SPI_PWR: J5.1 JP1.2
/Connectors/ESP_UCOM_PWR: J13.1 JP4.2
/Connectors/ESP_USART_PWR: J7.1 JP3.2
/Connectors/GPIO1: IM3.7 R26.1
/Connectors/GPIO3: IM3.9 R34.1
/Connectors/GPIO4: IM3.10 R36.1
/Connectors/GPIO5: IM3.11 R27.1
/Connectors/GPIO-1: J8.1 R26.2
/Connectors/GPIO-2: J19.1 R7.2 X2.26
/Connectors/GPIO-3: J13.3 R34.2
/Connectors/GPIO-4: J13.4 R36.2
/Connectors/GPIO-5: J10.1 R27.2
/Connectors/GPIO-6: J16.1 R39.2
/Connectors/GPIO-7: Q3.3 R31.1 R35.2
/Connectors/GPIO-7-VSEL: J11.1 Q3.1 R32.1
/Connectors/ILED: Q4.3 R43.2 TP9.P$1
/Connectors/ILED-5V: J21.1 Q4.1 R41.1 X2.4
/Connectors/IN1: IM3.3 J15.1 R37.1
/Connectors/IN2: IM3.4 J20.1 R42.1
/Connectors/IN3: D1.2 IM3.5 R30.1
/Connectors/IN3-5V: J14.1 R38.2
/Connectors/IN4: IM3.6 J23.1 R44.1
/Connectors/SPI_MISO: IM3.31 R21.1
/Connectors/SPI_MOSI: IM3.37 R20.1
/Connectors/SPI_SCK: IM3.30 R22.1
/Connectors/SPI_~{SS1}: IM3.29 R23.1
/Connectors/SPI_~{SS2}: IM3.26 R33.1
/Connectors/UART2_RX: IM3.27 R24.1
/Connectors/UART2_TX: IM3.28 R25.1
/CONTROL_RX/SDA: IC2.48 R49.1 R140.2
/CONTROL_TX/SCL: IC2.47 R47.1 R141.2
/Coprocessor/BOOT0: IC2.94 J32.2 Q6.2 R77.2 TP11.P$1 X2.13
/Coprocessor/BUTTON1: IC2.97 R57.1
/Coprocessor/BUTTON2: IC2.57 R60.1
/Coprocessor/BUTTON3: IC2.37 R66.1
/Coprocessor/BUTTON4: IC2.58 R69.1
/Coprocessor/BUTTON_OFF: IC2.46 R74.1 U3.2
/Coprocessor/BUTTON_ON: IC2.61 R168.1
/Coprocessor/BUZZER: IC2.84 R62.1
/Coprocessor/CHARGER_INT: IC2.31 R158.1 U18.5
/Coprocessor/ENC1A: D5.3 IC2.59 R92.2 TP18.P$1
/Coprocessor/ENC1B: D6.3 IC2.60 R93.2 TP19.P$1
/Coprocessor/ENC2A: D7.3 IC2.23 R94.2 TP20.P$1
/Coprocessor/ENC2B: D8.3 IC2.24 R95.2 TP21.P$1
/Coprocessor/ENC3A: D10.3 IC2.77 R104.2 TP32.P$1
/Coprocessor/ENC4A: D12.3 IC2.90 R106.2 TP34.P$1
/Coprocessor/ENC4B: D13.3 IC2.91 R107.2 TP35.P$1
/Coprocessor/IN4A: IC2.4 TP27.P$1 U10.1
/Coprocessor/IN4B: IC2.38 TP29.P$1 U11.2
/Coprocessor/INTELLIGENT_SERVO: D23.3 IC2.80 R142.2 TP52.P$1
/Coprocessor/MI1: IC2.33 TP22.P$1 U6.1
/Coprocessor/MI2: IC2.34 TP23.P$1 U7.1
/Coprocessor/MI3: IC2.35 TP36.P$1 U12.1
/Coprocessor/MI4: IC2.36 TP37.P$1 U13.1
/Coprocessor/MPU-INT: IC1.12 R79.2
/Coprocessor/MPU-SCL: J34.3 R80.1 R82.2
/Coprocessor/MPU-SDA: J34.4 R81.1 R83.2
/Coprocessor/MPU_INT: IC2.62 R79.1 TP12.P$1
/Coprocessor/MPU_SCL: IC1.7 R82.1
/Coprocessor/MPU_SDA: IC1.6 R83.1
/Coprocessor/OSC32_IN: C28.1 IC2.8 Y2.2
/Coprocessor/OSC32_OUT: C30.1 IC2.9 Y2.1
/Coprocessor/OSC_IN: C27.1 IC2.12 Y1.2
/Coprocessor/OSC_OUT: C29.1 IC2.13 Y1.1
/Coprocessor/PD_INT: IC2.83 U22.9
/Coprocessor/POWER: IC2.7 R170.2
/Coprocessor/PWM1A: IC2.40 IC3.16 TP14.P$1
/Coprocessor/PWM1B: IC2.39 IC3.15 TP15.P$1
/Coprocessor/PWM2A: IC2.42 IC3.9 TP16.P$1
/Coprocessor/PWM2B: IC2.41 IC3.10 TP17.P$1
/Coprocessor/PWM3A: IC2.44 IC4.16 TP25.P$1
/Coprocessor/PWM3B: IC2.43 IC4.15 TP26.P$1
/Coprocessor/PWM4: IC2.45 TP28.P$1 U10.2 U11.1
/Coprocessor/STM_SPI_MOSI: IC2.54 R5.2
/Coprocessor/STM_SPI_SCK: IC2.52 R3.2
/Coprocessor/TUNNEL_RX: IC2.87 R136.2
/Coprocessor/TUNNEL_TX: IC2.86 R137.2
/Coprocessor/USER_RX: IC2.93 R129.1
/Coprocessor/USER_TX: IC2.92 R128.1
/Coprocessor/UTS1_ECHO: IC2.5 R123.1
/Coprocessor/UTS1_TRIG: IC2.98 R122.1
/Coprocessor/UTS2_ECHO: IC2.88 R127.1
/Coprocessor/UTS2_TRIG: IC2.1 R126.1
/Coprocessor/UTS3_ECHO: IC2.55 R131.1
/Coprocessor/UTS3_TRIG: IC2.2 R130.1
/Coprocessor/UTS4_ECHO: IC2.56 R133.1
/Coprocessor/UTS4_TRIG: IC2.3 R132.1
/Coprocessor/V_BAT/2: C73.1 D24.3 IC2.26 R155.2 R156.2 TP53.P$1
/Coprocessor/VUSB_DET: IC2.25 Q15.1 TP58.P$1
/ENC3B/SW0: D11.3 IC2.89 J24.6 JP6.2 R48.1 R105.2 TP33.P$1
/ESP/ESP-3V3: D45.2 D46.2 IM3.1 J47.1 J48.1 J48.3 J48.5 J48.7
/ESP/ESP-UART-RX: J47.4 R135.2
/ESP/ESP-UART-TX: J47.3 R134.2
/ESP/ESP_+5V: C57.1 D22.1 IM3.19 TP51.P$1
/ESP/EXPANDER_RX: IM3.25 R141.1
/ESP/EXPANDER_TX: IM3.24 R140.1
/ESP/GPIO2: IM3.8 R7.1
/ESP/I2C_SCL: IM3.36 R2.1
/ESP/I2C_SDA: IM3.33 R4.1
/ESP/UART_RX: IM3.34 R135.1 R137.1
/ESP/UART_TX: IM3.35 R134.1 R136.1
/ESP_EN: IC2.85 IM3.2 Q4.2 R75.2 R78.1 SW11.1 SW12.1 TP50.P$1 U3.1 X2.15
/GPIO6/TMS: IM3.12 J25.1 R1.1 R39.1
/GPIO7/TCK: IM3.15 J25.3 R3.1 R35.1
/I2C-SCL: IC1.23 IC2.95 R85.1 R87.2 U18.4 U22.5
/I2C-SCL-CON: IM1.3 IM2.3 J1.4 R87.1 X2.25
/I2C-SDA: IC1.24 IC2.96 R84.1 R86.1 U18.3 U22.4
/I2C-SDA-CON: IM1.4 IM2.4 J1.2 R86.2 X2.24
/I_LED/TDI: IM3.13 J25.2 R5.1 R43.1
/Motors/ENC12PWR: D4.1 TP13.P$1 U4.5 U5.5
/Motors/ENC34PWR: D9.1 TP24.P$1 U8.5 U9.5
/Motors/ENC_1A: R88.2 R92.1 U4.4
/Motors/ENC_1B: R89.1 R93.1 U4.3
/Motors/ENC_2A: R90.2 R94.1 U5.4
/Motors/ENC_2B: R91.1 R95.1 U5.3
/Motors/ENC_3A: R100.2 R104.1 U8.4
/Motors/ENC_3B: R101.1 R105.1 U8.3
/Motors/ENC_4A: R102.2 R106.1 U9.4
/Motors/ENC_4B: R103.1 R107.1 U9.3
/Motors/IN4_A: IC4.9 R99.2 TP30.P$1 U10.3
/Motors/IN4_B: IC4.10 R98.2 TP31.P$1 U11.3
/Motors/M1A: IC3.4 U4.6
/Motors/M1B: IC3.2 U4.1
/Motors/M1GND: IC3.3 R96.2 U6.3
/Motors/M2A: IC3.5 U5.6
/Motors/M2B: IC3.7 U5.1
/Motors/M2GND: IC3.6 R97.2 U7.3
/Motors/M3A: IC4.2 U8.6
/Motors/M3B: IC4.4 U8.1
/Motors/M3GND: IC4.3 R108.2 U12.3
/Motors/M4A: IC4.7 U9.6
/Motors/M4B: IC4.5 U9.1
/Motors/M4GND: IC4.6 R109.2 U13.3
/Motors/~{M12_FAULT}: IC3.8 J35.1
/Motors/~{M34_FAULT}: IC4.8 J36.1
/NRST: IC2.14 J24.5 J33.7 X2.14
/Power/Battery Manager/BAT+: Q12.1 X3.3
/Power/Battery Manager/BAT+_PROTECTED: Q12.3 Q14.3 R163.1 R165.2 TP54.P$1
/Power/Battery Manager/BAT_MID: Q9.2 Q10.1 X3.2
/Power/Battery Manager/BAT_MID_PROTECTED: C83.1 Q11.1 Q13.4 R155.1 R161.2 R167.1 U20.3
